# Altium PCB EASY-EAI-Nano-TB V1.01.PCBDOC (part 5 of 7) (continued)
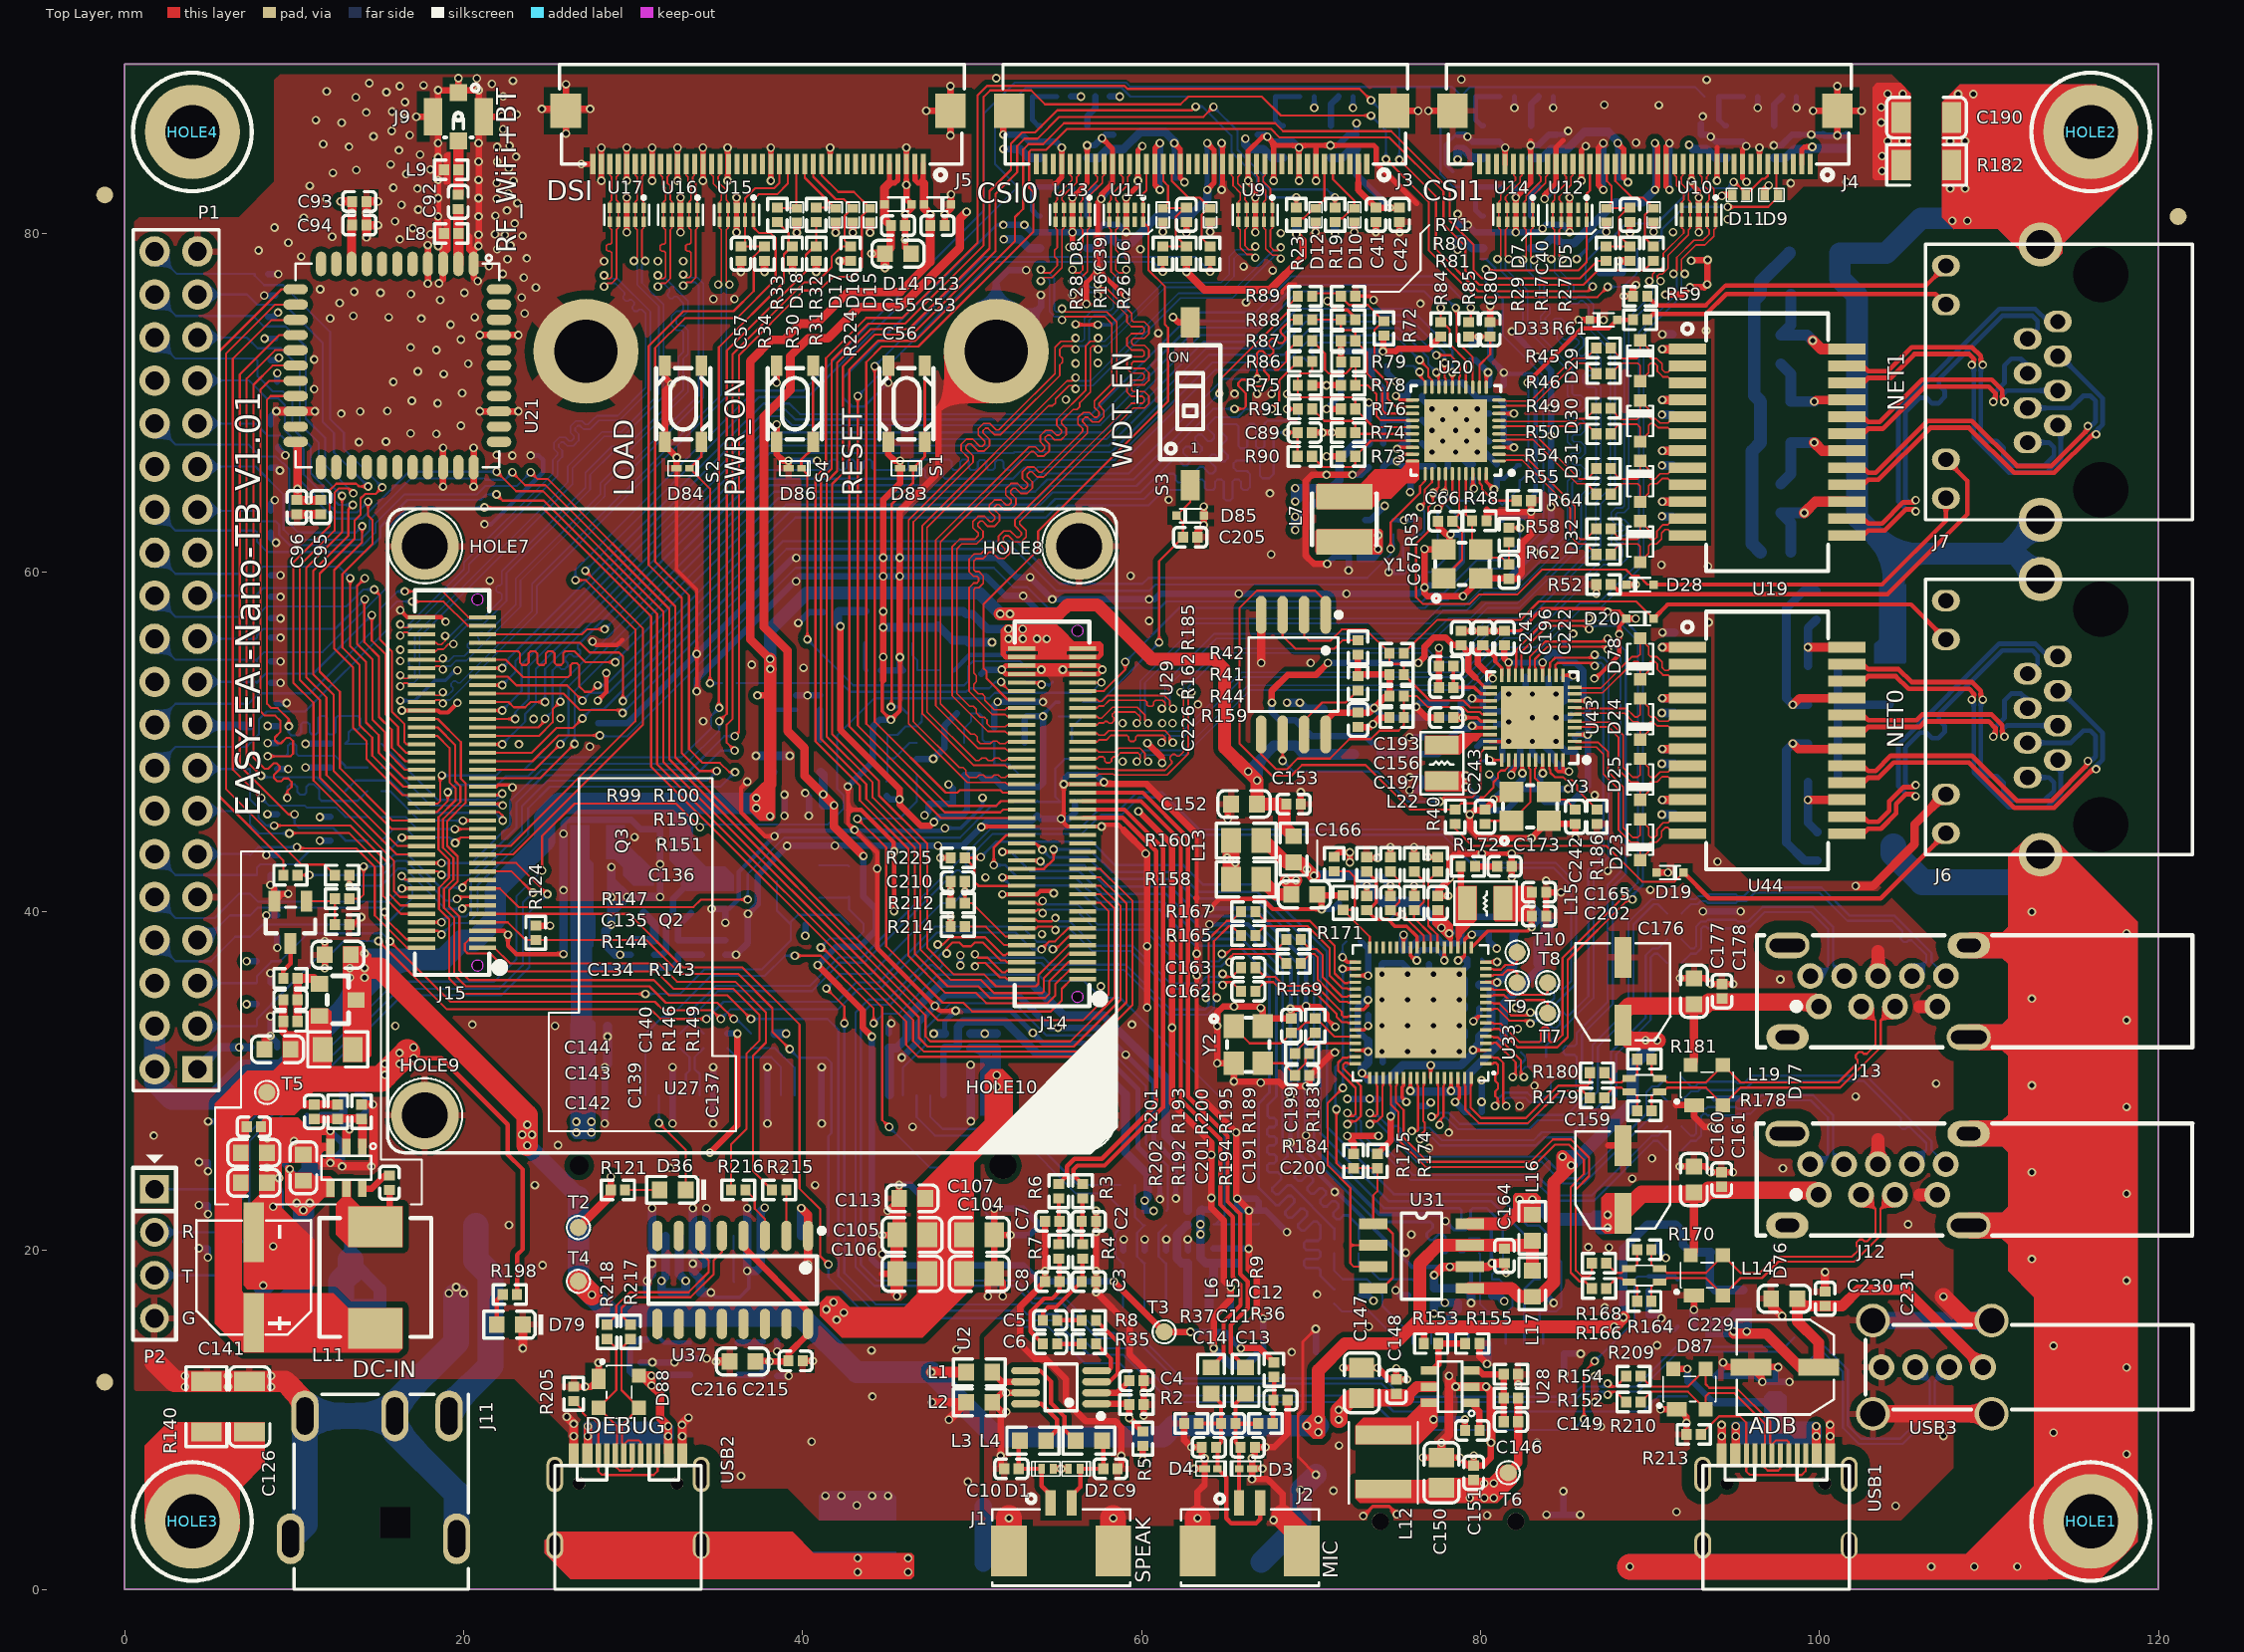
[diagram p0: Top Layer view]
## Nets (pads, with @x,y where several pads share a name; then routed paths per layer and width w, separated by ;. In a path a pad name is that pad's centre, name@x,y a point inside that pad or via, vN(x,y) a via of type N, cw(c..) or ccw(c..) an arc to the next point about the centre after c; other vN are vias at no path point) (continued)
NetC38_2: C38.2 R15.2 U8.3 | length 3.4
  Bottom Layer w0.305: U8.3@80.175,86.371 80.064,86.371 79.714,86.721 R15.2@79.714,88.088 C38.2@81.15,88.088
NetC61_2: C61.2 R38.2 U18.3 | length 3
  Bottom Layer w0.127: U18.3@46.485,55.819 46.485,55.115 46.78,54.82 C61.2@46.78,54.229 R38.2@48.089,54.229
NetC62_2: C62.2 U18.4 | length 1.6
  Bottom Layer w0.254: U18.4@43.685,55.819 43.685,54.315 C62.2@43.771,54.229
NetC65_2: C65.2 U19.1 | length 2.1
  Top Layer w0.508: v1(90.731,73.185) U19.1@92.21,73.185
  Bottom Layer w0.508: v1(90.731,73.185) 91.299,73.185 C65.2@91.323,73.209
NetC68_2: C68.2 U19.4 | length 2.1
  Top Layer w0.508: v1(90.731,70.185) U19.4@92.21,70.185
  Bottom Layer w0.508: v1(90.731,70.185) 91.299,70.185 C68.2@91.323,70.161
NetC69_2: C69.2 U19.7 | length 2.1
  Top Layer w0.508: v1(90.731,67.185) U19.7@92.21,67.185
  Bottom Layer w0.508: v1(90.731,67.185) 91.299,67.185 C69.2@91.323,67.161
NetC71_2: C71.2 U19.10 | length 2.1
  Top Layer w0.508: v1(90.731,64.185) U19.10@92.21,64.185
  Bottom Layer w0.508: v1(90.731,64.185) 91.299,64.185 C71.2@91.323,64.161
NetC72_1: C72.1 R47.2 R51.2 R56.2 R63.2 | length 19.1
  Bottom Layer w0.762: R63.2@96.529,61.196 96.022,61.703 96.022,67.166 R56.2@96.529,67.673 R51.2@96.529,70.086 96.149,70.466 96.149,76.056 R47.2@96.529,76.436 96.529,77.163 C72.1@98.215,78.849
NetC92_1: C92.1 L8.1 U21.2 | length 3.2
  Top Layer w0.61: U21.2@19.695,78.214 C92.1@19.695,81.447
NetC92_2: C92.2 J9.4 L9.1 | length 3.1
  Top Layer w0.61: C92.2@19.695,82.329 L9.1@19.695,83.777 J9.4@19.695,85.476
NetC111_1: C111.1 R130.1 R132.2 U22.5 | length 4.7
  Bottom Layer w0.381: U22.5@33.423,39.906 32.655,39.138 C111.1@32.655,38.294 R130.1@34.052,38.294 R132.2@35.449,38.294
NetC112_2: C112.2 R131.1 U22.1 | length 3.3
  Bottom Layer w0.508: C112.2@29.861,38.294 R131.1@31.258,38.294 31.258,39.271 U22.1@30.623,39.906
NetC122_2: C122.2 R136.1 R139.2 U24.4 U25.4 | length 8.1
  Bottom Layer w0.127: U24.4@49.543,49.956 49.543,50.813 49.955,51.225 C122.2@49.955,51.689 50.419,51.689 50.617,51.491 50.617,50.144 50.767,49.994 R139.2@51.308,49.994 R136.1@51.308,48.685 52.179,48.685 52.81,48.054 U25.4@53.093,48.054
NetC125_2: C125.2 R137.2 R138.2 U25.2 | length 6
  Bottom Layer w0.127: R137.2@52.495,46.457 53.779,46.457 R138.2@53.848,46.526 ; R138.2@53.91,46.464 C125.2@55.211,46.464 54.915,46.76 54.915,48.438 55.481,49.004 U25.2@55.893,49.004
NetC133_2: C133.2 U26.4 | length 1.8
  Bottom Layer w0.381: C133.2@41.021,51.899 41.021,50.169 U26.4@41.053,50.137
NetC135_1: C135.1 Q2.1 R144.1 R147.2 | length 4
  Top Layer w0.508: R144.1@10.214,33.51 C135.1@10.214,34.78 R147.2@10.214,36.05 11.184,36.05 Q2.1@11.504,35.73
NetC137_1: C137.1 U27.6 | length 1.9
  Top Layer w0.381: U27.6@14.041,23.644 14.576,23.644 15.342,24.41 C137.1@15.631,24.41
NetC137_2: C137.2 L11.1 U27.5 | length 5.5
  Top Layer w0.381: U27.5@13.091,23.644 13.091,23.099 L11.1@14.793,21.397 15.631,22.235 C137.2@15.631,23.56
NetC140_1: C140.1 R146.1 R149.2 U27.1 | length 4.5
  Top Layer w0.508: C140.1@11.186,27.751 R146.1@12.583,27.751 12.608,27.776 13.955,27.776 R149.2@13.98,27.751 14.041,27.69 U27.1@14.041,26.104
NetC145_2: C145.2 R145.1 R148.2 U27.2 | length 4.7
  Top Layer w0.508: U27.2@13.091,26.104 13.091,26.97 v1(13.263,27.141)
  Bottom Layer w0.508: R145.1@11.611,27.922 C145.2@12.92,27.922 ; R148.2@12.92,29.319 C145.2@12.92,27.922 ; v1(13.263,27.141) 12.92,27.484 C145.2@12.92,27.922
NetC146_1: C146.1 U28.1 | length 1.8
  Top Layer w0.381: U28.1@79.435,11.009 79.937,10.507 C146.1@79.937,9.38
NetC146_2: C146.2 L12.1 U28.6 | length 2.5
  Top Layer w0.381: C146.2@79.087,9.38 v1(79.087,10.024)
  Bottom Layer w0.381: v1(77.224,10.024) v1(79.087,10.024)
NetC149_1: C149.1 R152.1 R154.2 U28.3 | length 4.8
  Top Layer w0.381: U28.3@79.435,12.909 79.921,12.909 80.147,12.682 R154.2@81.371,12.682 81.371,11.158 C149.1@81.371,9.888
NetC173_2: C173.2 R172.1 | length 1.3
  Top Layer w0.381: R172.1@79.683,42.654 C173.2@80.992,42.654
NetC205_2: C205.2 D85.2 R207.2 S3.1 | length 16.3
  Top Layer w0.127: v1(61.039,55.878) 61.039,60.674 C205.2@62.45,62.085 62.45,62.98 D85.2@62.075,63.355 62.875,64.155 S3.1@62.875,65.159
  Bottom Layer w0.127: R207.2@56.525,52.35 57.534,52.35 61.039,55.855 v1(61.039,55.878)
NetC214_2: C214.2 U36.4 | length 1.5
  Bottom Layer w0.381: U36.4@36.176,14.555 37.587,14.555 C214.2@37.653,14.621
NetC258_2: C258.2 U44.1 | length 2.2
  Top Layer w0.508: v1(90.731,55.589) U44.1@92.21,55.589
  Bottom Layer w0.508: v1(90.731,55.589) 90.756,55.613 C258.2@91.45,55.613
NetC259_2: C259.2 U44.4 | length 2.2
  Top Layer w0.508: v1(90.731,52.589) U44.4@92.21,52.589
  Bottom Layer w0.508: v1(90.731,52.589) 90.756,52.565 C259.2@91.45,52.565
NetC260_2: C260.2 U44.7 | length 2.2
  Top Layer w0.508: v1(90.731,49.589) U44.7@92.21,49.589
  Bottom Layer w0.508: v1(90.731,49.589) 90.756,49.565 C260.2@91.45,49.565
NetC261_2: C261.2 U44.10 | length 2.2
  Top Layer w0.508: v1(90.731,46.589) U44.10@92.21,46.589
  Bottom Layer w0.508: v1(90.731,46.589) 90.756,46.565 C261.2@91.45,46.565
NetC262_2: C262.2 R187.2 R188.2 R226.2 R227.2 | length 9.9
  Bottom Layer w0.508: R227.2@101.093,47.625 R226.2@101.093,49.911 R188.2@101.093,52.197 ; R187.2@101.093,54.483 R188.2@101.093,52.197 ; C262.2@104.14,52.231 104.106,52.197 R188.2@101.093,52.197
NetD21_1: D21.1 R188.1 U44.21 | length 12.3
  Top Layer w0.508: v1(98.425,52.197) 98.817,52.589 U44.21@101.61,52.589
  Bottom Layer w0.508: R188.1@99.313,52.197 v1(98.425,52.197) 98.044,52.578 98.044,57.887 99.075,58.918 D21.1@99.815,58.918
NetD21_3: D21.3 R187.1 U44.24 | length 5.2
  Top Layer w0.508: v1(99.314,55.589) U44.24@101.61,55.589
  Bottom Layer w0.508: R187.1@99.313,54.483 R187.1@99.313,54.483 v1(99.314,55.589) 99.314,56.717 D21.3@99.815,57.218
NetD22_1: D22.1 R227.1 U44.15 | length 5.5
  Top Layer w0.508: v1(99.314,46.589) U44.15@101.61,46.589
  Bottom Layer w0.508: R227.1@99.313,47.625 v1(99.314,46.589) v1(99.314,46.589) 99.314,45.245 D22.1@99.866,44.694
NetD22_3: D22.3 R226.1 U44.18 | length 12.5
  Top Layer w0.508: v1(98.425,49.911) 98.747,49.589 U44.18@101.61,49.589
  Bottom Layer w0.508: R226.1@99.313,49.911 v1(98.425,49.911) 98.044,49.53 98.044,44.069 99.119,42.994 D22.3@99.866,42.994
NetD26_1: D26.1 R47.1 U19.24 | length 6.9
  Top Layer w0.635: v1(99.598,73.687) 100.1,73.185 U19.24@101.61,73.185
  Bottom Layer w0.635: R47.1@98.309,76.436 98.309,74.605 D26.1@97.717,74.013 99.272,74.013 v1(99.598,73.687)
NetD26_3: D26.3 R51.1 U19.21 | length 5.8
  Top Layer w0.508: v1(99.69,70.086) 99.789,70.185 U19.21@101.61,70.185
  Bottom Layer w0.635: D26.3@97.717,72.313 98.309,71.72 R51.1@98.309,70.086 v1(99.69,70.086)
NetD27_1: D27.1 R56.1 U19.18 | length 6.2
  Top Layer w0.635: v1(99.69,67.673) 100.178,67.185 U19.18@101.61,67.185
  Bottom Layer w0.635: D27.1@97.717,65.224 98.309,65.817 R56.1@98.309,67.673 v1(99.69,67.673)
NetD27_3: D27.3 R63.1 U19.15 | length 6.7
  Top Layer w0.635: v1(99.098,63.524) 99.758,64.185 U19.15@101.61,64.185
  Bottom Layer w0.635: R63.1@98.309,61.196 98.309,62.932 D27.3@97.717,63.524 v1(99.098,63.524)
NetD34_1: D34.1 J8.8 R97.2 | length 6.1
  Bottom Layer w0.127: R97.2@82.846,19.834 82.846,18.702 D34.1@83.26,18.288 ; D34.1@83.156,18.288 D34.1@83.26,18.288 ; D34.1@83.481,18.288 D34.1@83.26,18.288
  Bottom Layer w0.152: J8.8@82.587,14.5 82.587,17.719 D34.1@83.156,18.288
NetD34_3: D34.3 J8.9 R98.2 | length 6.7
  Bottom Layer w0.127: J8.9@83.687,14.5 83.687,15.627 83.481,15.833 D34.3@83.481,16.388 84.46,16.388 84.76,16.688 84.76,19.317 R98.2@84.243,19.834
NetD34_4: D34.4 J8.5 R95.2 | length 6.9
  Bottom Layer w0.127: J8.5@79.287,14.5 79.287,15.914 79.629,16.256 80.555,16.256 D34.4@80.687,16.388 80.433,16.388 79.964,16.857 79.964,19.795 R95.2@79.925,19.834
NetD34_6: D34.6 J8.7 R96.2 | length 6.5
  Bottom Layer w0.127: R96.2@81.322,19.834 81.322,19.229 80.687,18.594 D34.6@80.687,18.288 81.099,18.288 81.893,17.494 81.893,16.703 81.487,16.297 J8.7@81.487,14.5
NetD35_1: D35.1 J8.3 R94.2 | length 8.5
  Bottom Layer w0.127: R94.2@72.813,19.834 72.813,19.135 73.025,18.923 73.406,18.923 74.041,18.288 D35.1@75.734,18.288 75.968,18.288 76.487,17.768 76.487,16.038 77.087,15.439 J8.3@77.087,14.5
NetD35_4: D35.4 J8.1 R92.2 | length 4.7
  Bottom Layer w0.127: R92.2@71.374,16.847 71.833,16.388 D35.4@72.94,16.388 73.449,16.388 74.887,14.95 J8.1@74.887,14.5
NetD35_6: D35.6 J8.2 R93.2 | length 8.1
  Bottom Layer w0.127: R93.2@71.374,19.834 71.374,18.796 71.882,18.288 D35.6@72.94,18.288 73.303,18.288 74.218,17.373 74.218,16.714 75.987,14.945 J8.2@75.987,14.5
NetD36_A: D36.A R121.1 | length 2
  Top Layer w0.127: R121.1@29.535,23.569 D36.A@31.571,23.569
NetD36_K: D36.K J10.42 | length 6.2
  Top Layer w0.127: v1(31.529,27.518) 33.111,25.936 D36.K@33.111,23.569
  Bottom Layer w0.127: v1(31.529,27.518) J10.42@31.529,29.153
NetD37_1: D37.1 R127.1 U23.C6 | length 5.6
  Bottom Layer w0.508: U23.C6@62.718,16.623 62.73,16.635 D37.1@62.73,19.243 62.375,19.243 62.095,19.522 62.095,20.913 62.668,21.485 R127.1@62.73,21.485
NetD42_1: D42.1 D43.1 D43.3 F1.2 | length 14.4
  Bottom Layer w0.762: F1.2@13.328,21.445 13.328,19.432 15.069,17.69 D43.1@15.069,16.736 13.53,16.736 D42.1@12.778,15.984 13.726,15.036 D43.3@15.069,15.036
  Bottom Layer w1.524: D42.1@12.778,15.984 12.778,18.171 13.328,18.721 F1.2@13.328,19.432
NetD79_A: D79.A R198.2 | length 1.9
  Top Layer w0.254: D79.A@21.963,15.621 21.963,17.054 R198.2@22.308,17.399
NetD83_1: D83.1 R204.2 S1.1 S1.2 | length 22.1
  Top Layer w0.152: v1(45.212,52.07) 45.253,52.111 45.253,64.014 46.517,65.278 D83.1@46.517,66.149 47.211,66.843 S1.2@47.211,67.709 S1.1@47.211,72.209
  Bottom Layer w0.152: v1(45.212,52.07) 45.803,52.07 R204.2@46.184,51.689
NetD84_1: D84.1 R206.2 S2.1 S2.2 | length 20.2
  Top Layer w0.127: D84.1@33.342,66.149 34.544,64.947 v1(34.544,53.467)
  Top Layer w0.152: D84.1@33.342,66.149 34.036,66.843 S2.2@34.036,67.709 S2.1@34.036,72.209
  Bottom Layer w0.127: v1(34.544,53.467) R206.2@35.262,53.467
NetD86_1: D86.1 R208.2 S4.1 S4.2 | length 32.2
  Top Layer w0.127: D86.1@39.93,66.149 40.285,65.794 v1(40.285,56.052)
  Top Layer w0.152: D86.1@39.93,66.149 39.93,66.657 40.624,67.351 S4.2@40.624,67.709 S4.1@40.624,72.479
  Bottom Layer w0.127: v1(40.285,56.052) 42.997,53.34 49.53,53.34 49.784,53.594 49.784,54.483 50.064,54.763 52.842,54.763 R208.2@53.223,54.382
NetD89_2: D89.2 P2.1 R219.2 | length 4.8
  Bottom Layer w0.127: P2.1@1.907,23.473 P2.1@1.77,23.61 D89.2@4.928,23.61 5.823,23.61 R219.2@6.198,23.984
NetJ7_10: J7.10 R52.2 | length 27
  Top Layer w0.254: R52.2@87.684,59.291 87.759,59.291 88.325,58.725 104.016,58.725 108.722,63.431 108.722,65.409 J7.10@107.46,66.671
NetJ10_10: J10.10 R111.1 | length 14.2
  Bottom Layer w0.127: J10.10@47.529,29.153 47.529,27.904 48.267,27.166 52.959,27.166 56.267,23.858 R111.1@58.767,23.858
NetJ10_12: J10.12 R112.1 | length 15.8
  Bottom Layer w0.127: J10.12@46.729,29.153 46.729,27.862 47.818,26.773 52.717,26.773 56.14,23.35 57.905,23.35 R112.1@58.92,22.335
NetJ10_14: J10.14 R113.1 | length 28.1
  Bottom Layer w0.127: J10.14@45.929,29.153 45.929,30.793 47.209,32.073 47.209,33.05 48.75,34.59 52.474,34.59 54.379,32.685 57.271,32.685 60.251,29.706 60.251,26.277 61.556,24.972 61.556,22.431 R113.1@61.46,22.335
NetJ10_24: J10.24 R117.1 | length 5.3
  Bottom Layer w0.127: R117.1@35.57,31.942 36.12,31.392 38.152,31.392 38.729,30.815 J10.24@38.729,29.153
NetJ10_31: J10.31 T1.1 | length 2.7
  Bottom Layer w0.127: J10.31@35.929,20.853 35.929,18.165 T1.1@35.951,18.143
NetJ10_44: J10.44 R122.1 | length 2.8
  Bottom Layer w0.127: J10.44@30.729,29.153 30.729,31.927 R122.1@30.744,31.942
NetJ14_71: J14.71 R219.1 | length 72.9
  Top Layer w0.127: v1(24.638,42.418) 24.638,44.45 26.557,46.369 32.54,46.369 v1(33.946,44.964) ; J14.71@56.524,53.511 v1(57.628,53.51)
  Bottom Layer w0.127: R219.1@6.198,24.834 6.198,26.391 7.874,28.067 8.201,28.067 15.995,35.861 21.809,35.861 23.114,37.166 23.114,40.894 v1(24.638,42.418) ; v1(33.946,44.964) 34.12,45.137 41.507,45.137 42.418,46.048 42.418,46.863 42.037,47.244 42.037,50.375 44.24,52.578 51.022,52.578 51.347,52.903 57.02,52.903 v1(57.628,53.51)
NetL3_1: L3.1 U2.8 | length 3.8
  Top Layer w0.254: U2.8@53.155,10.945 54.095,10.945 55.017,10.023 55.017,9.416 L3.1@54.364,8.763
NetL4_1: L4.1 U2.5 | length 5.9
  Top Layer w0.254: U2.5@53.155,12.895 54.026,12.895 54.671,12.25 54.671,10.979 55.449,10.201 55.449,9.44 L4.1@56.126,8.763
NetL10_1: L10.1 U22.3
NetL14_1: L14.1 R168.2 R170.1 | length 3.1
  Top Layer w0.13: R168.2@87.419,19.25 87.996,18.673 88.316,18.673 88.562,18.919 L14.1@88.762,18.919 ; L14.1@88.762,18.919 88.982,18.92 89.238,19.177 R170.1@89.238,20.045
NetL14_4: L14.4 R164.1 R166.2 | length 3.1
  Top Layer w0.13: R166.2@87.421,17.759 88.03,18.368 88.317,18.368 88.564,18.121 L14.4@88.764,18.121 88.982,18.121 89.238,17.865 R164.1@89.238,16.997
NetL19_1: L19.1 R180.2 R181.1 | length 3.3
  Top Layer w0.13: R180.2@87.3,30.484 87.365,30.419 87.365,30.392 87.85,29.907 88.324,29.907 88.571,30.154 L19.1@88.771,30.154 ; L19.1@88.773,30.154 88.991,30.154 89.247,30.411 R181.1@89.247,31.279
NetL19_4: L19.4 R178.1 R179.2 | length 3.3
  Top Layer w0.13: R179.2@87.303,28.993 87.368,29.057 87.368,29.119 87.85,29.602 88.326,29.602 88.573,29.355 L19.4@88.773,29.355 88.991,29.355 89.247,29.099 R178.1@89.247,28.231
NetQ1_1: Q1.1 R115.1 | length 1.8
  Bottom Layer w0.13: Q1.1@40.991,42.715 42.684,42.715 R115.1@42.745,42.654
NetQ3_1: Q3.1 R150.2 R151.2 | length 3.3
  Top Layer w0.127: Q3.1@10.739,40.602 12.265,40.602 R150.2@12.412,40.749 R151.2@12.412,39.225
NetQ3_3: Q3.3 R147.1 | length 2.2
  Top Layer w0.254: R147.1@9.364,36.05 9.364,36.489 9.789,36.914 Q3.3@9.789,38.102
NetR8_2: R8.2 U2.3 | length 5.1
  Top Layer w0.254: R8.2@57.321,15.875 58.609,14.587 58.609,12.745 58.109,12.245 U2.3@57.355,12.245
NetR35_2: R35.2 U2.4 | length 2.7
  Top Layer w0.254: R35.2@57.321,14.478 58.195,13.604 58.195,13.06 58.03,12.895 U2.4@57.355,12.895
NetR99_2: R99.2 U21.12 | length 38.5
  Top Layer w0.127: R99.2@9.364,42.146 9.364,43.02 5.579,46.805 5.579,73.041 9.252,76.714 U21.12@10.095,76.714
NetR100_2: R100.2 U21.13 | length 39.5
  Top Layer w0.127: U21.13@10.095,75.814 8.894,75.814 5.985,72.905 5.985,47.222 10.438,42.769 11.789,42.769 R100.2@12.412,42.146
NetR141_2: R141.2 R142.2 U26.3 | length 3.2
  Bottom Layer w0.254: U26.3@38.253,50.137 38.253,51.873 R141.2@38.227,51.899 R142.2@39.624,51.899
NetR153_2: R153.2 R155.2 U28.4 | length 3.5
  Top Layer w0.381: U28.4@76.975,12.909 77.152,12.909 77.512,13.268 R153.2@77.512,14.5 R155.2@79.087,14.5
NetR162_1: R162.1 U29.7 | length 4.7
  Top Layer w0.127: U29.7@69.596,50.445 69.596,51.255 70.665,52.324 72.053,52.324 R162.1@72.771,53.042
NetR183_2: R183.2 R184.1 | length 1.7
  Top Layer w0.127: R184.1@69.054,31.605 69.054,31.688 70.197,32.831 R183.2@70.241,32.831
NetR185_1: R185.1 U29.3 | length 6.2
  Top Layer w0.127: U29.3@68.326,57.505 68.326,56.261 69.088,55.499 71.374,55.499 71.882,56.007 R185.1@72.771,56.007
NetR186_1: R186.1 U43.38 | length 4.6
  Top Layer w0.127: U43.38@84.058,48.936 84.058,48.403 84.118,48.343 84.118,48.19 84.379,47.93 84.875,47.93 85.053,47.752 85.388,47.752 85.71,47.43 85.71,47.176 R186.1@86.868,46.018
NetR190_2: R190.2 U34.3 | length 1.8
  Bottom Layer w0.254: R190.2@89.916,15.323 91.465,15.323 U34.3@91.633,15.491
NetR191_2: R191.2 USB3.3 | length 15.6
  Bottom Layer w0.13: R191.2@99.358,14.859 99.904,14.313 100.329,14.313 101.678,12.964 101.678,9.661 102.45,8.89 104.775,8.89 105.661,9.776 105.661,9.956 105.557,10.06 105.557,10.241 105.737,10.421 105.918,10.421 106.022,10.317 106.202,10.317 106.498,10.613 106.498,12.259 USB3.3@105.65,13.106
NetR203_1: R203.1 U36.3 | length 1.8
  Bottom Layer w0.254: R203.1@31.645,14.748 31.838,14.555 U36.3@33.376,14.555
NetR215_2: R215.2 U37.2 | length 2.7
  Top Layer w0.127: R215.2@39.043,23.569 39.043,20.868 U37.2@39.054,20.857
NetR216_2: R216.2 U37.3 | length 3.2
  Top Layer w0.127: R216.2@36.63,23.569 37.18,23.019 37.18,22.459 37.784,21.855 U37.3@37.784,20.857
NetR220_2: R220.2 USB3.2 | length 15.6
  Bottom Layer w0.13: R220.2@99.358,13.462 99.904,14.008 100.203,14.008 101.374,12.838 101.374,9.535 102.323,8.585 104.901,8.585 106.802,10.486 106.802,12.259 USB3.2@107.65,13.106
OTG_D_N: J14.8 R210.2 R220.1 | length 89
  Top Layer w0.13: v1(47.978,38.05) 48.295,38.05 48.716,38.471 50.768,38.471 51.826,37.413 51.962,37.413 52.06,37.51 J14.8@52.925,37.511 ; v1(87.503,11.481) 87.681,11.659 87.992,11.659 R210.2@88.602,11.049
  Bottom Layer w0.13: v1(47.978,38.05) 47.978,37.733 45.043,34.798 43.892,34.798 43.129,34.035 43.129,19.025 44.248,17.907 52.528,17.907 53.569,16.866 55.351,16.866 57.409,14.808 59.6,14.808 62.267,12.141 74.169,12.141 75.255,11.055 85.477,11.055 86.081,11.659 87.325,11.659 v1(87.503,11.481) 87.681,11.659 89.306,11.659 91.655,14.008 97.962,14.008 R220.1@98.508,13.462
OTG_D_P: J14.6 R191.1 R209.2 | length 89
  Top Layer w0.13: v1(48.51,37.517) 48.51,37.834 48.842,38.166 49.261,38.166 49.479,37.948 49.951,37.948 50.169,38.166 50.642,38.166 51.7,37.108 51.962,37.108 52.06,37.01 J14.6@52.925,37.01 ; v1(87.503,12.141) 87.681,11.963 87.992,11.963 R209.2@88.602,12.573
  Bottom Layer w0.13: v1(48.51,37.517) 48.193,37.517 48.052,37.375 48.052,37.195 48.256,36.991 48.256,36.81 48.075,36.63 47.895,36.63 47.691,36.834 47.51,36.834 45.169,34.493 44.018,34.493 43.434,33.909 43.434,19.152 44.374,18.212 52.654,18.212 53.696,17.17 55.477,17.17 57.535,15.113 59.726,15.113 62.393,12.446 74.295,12.446 75.381,11.36 85.351,11.36 85.954,11.963 87.325,11.963 v1(87.503,12.141) 87.681,11.963 89.179,11.963 91.529,14.313 97.962,14.313 R191.1@98.508,14.859
OTG_ID: J14.10 R214.2 | length 3.8
  Top Layer w0.127: R214.2@49.584,39.098 50.81,39.098 51.898,38.01 J14.10@52.925,38.01
OVCURJ: R173.2 U31.2 U31.3 U33.33 | length 24
  Top Layer w0.127: v1(71.882,29.591) 70.993,28.702 70.993,25.019 72.325,23.687 72.325,20.302 ; U31.3@73.67,19.032 72.535,19.032 72.325,19.242 72.325,20.302 ; U31.2@73.67,20.302 72.325,20.302
  Top Layer w0.203: v1(71.857,37.297) 72.136,37.018 U33.33@72.614,37.018
  Bottom Layer w0.127: v1(71.882,29.591) 71.882,30.672 72.301,31.092 72.301,36.434 72.301,36.853 v1(71.857,37.297) 71.857,37.992 R173.2@72.092,38.227
PHY1_CLKOUT125: R57.2 U20.35 | length 3.1
  Top Layer w0.127: v1(77.495,63.779) 77.564,63.779 78.34,64.555 U20.35@78.34,65.831
  Bottom Layer w0.127: R57.2@77.48,63.091 77.48,63.764 v1(77.495,63.779)
PHY1_LED0/CFG_EXT: R66.2 R67.1 U20.32 | length 6.1
  Top Layer w0.127: v1(76.44,63.855) 76.72,64.135 76.72,64.91 77.14,65.33 U20.32@77.14,65.831
  Bottom Layer w0.127: R66.2@75.438,60.877 75.438,61.552 R67.1@76.127,62.241 76.493,62.241 76.685,62.433 76.685,63.609 v1(76.44,63.855)
PHY1_LED1/CFG_LDO0: D28.1 J7.9 R70.2 U20.33 | length 45.7
  Top Layer w0.127: U20.33@77.54,65.831 77.54,65.044 v1(77.194,64.698) 77.194,64.136 76.928,63.87 76.928,62.434 76.2,61.706 76.2,58.547 76.606,58.141 79.35,58.141 79.906,58.697 82.167,58.697 83.639,60.169 88.584,60.169 88.944,59.808 89.329,59.808 89.847,59.291 D28.1@90.218,59.291
  Top Layer w0.254: D28.1@90.218,59.291 103.693,59.291 107.46,63.058 J7.9@107.46,64.381
  Bottom Layer w0.127: v1(77.194,64.698) 77.729,64.163 77.796,64.163 78.859,63.101 R70.2@78.896,63.101
PHY1_LED2/CFG_LDO1: D33.1 R61.1 R68.2 R69.1 U20.34 | length 20.6
  Top Layer w0.127: v1(77.854,64.698) 77.94,64.784 U20.34@77.94,65.831
  Top Layer w0.254: v1(82.779,71.211) 82.779,71.222 85.961,74.404 87.551,74.404 D33.1@88.059,74.912 R61.1@88.993,74.912
  Bottom Layer w0.127: v1(77.854,64.698) 78.308,64.244 81.036,64.244 R68.2@81.29,63.99 82.306,65.006 R69.1@82.306,65.47 82.417,65.47 82.822,65.874 82.822,71.179 82.784,71.216 v1(82.779,71.211)
PHY1_MD0+: J7.1 U19.13 | length 23.6
  Top Layer w0.279: U19.13@101.61,62.185 102.572,62.185 102.869,62.482 103.857,62.482 105.111,63.736 105.547,63.736 v1(105.674,63.609)
  Bottom Layer w0.279: v1(105.674,63.609) 105.547,63.736 105.109,63.736 104.656,64.188 104.656,69.601 110.614,75.559 112.73,75.559 113.477,74.811 J7.1@114.06,74.811
PHY1_MD0-: J7.2 U19.14 | length 23.5
  Top Layer w0.279: U19.14@101.61,63.185 102.575,63.185 102.872,62.888 103.688,62.888 104.943,64.142 105.547,64.142 v1(105.674,64.269)
  Bottom Layer w0.279: v1(105.674,64.269) 105.547,64.142 105.277,64.142 105.063,64.357 105.063,69.433 105.946,70.316 106.314,70.316 106.644,69.986 107.012,69.986 107.38,70.355 107.38,70.723 107.051,71.052 107.051,71.421 110.783,75.153 112.561,75.153 112.866,74.848 112.866,74.377 J7.2@112.28,73.791
PHY1_MD1+: J7.3 U19.16 | length 24.1
  Top Layer w0.279: U19.16@101.61,65.185 102.572,65.185 102.869,65.482 103.478,65.482 106.54,68.543 108.822,68.543 111.484,65.882 113.847,65.882 116.125,68.16 v1(116.32,68.16)
  Bottom Layer w0.279: J7.3@114.06,72.771 114.206,72.771 116.701,70.276 116.701,68.736 116.32,68.354 v1(116.32,68.16)
PHY1_MD1-: J7.6 U19.17 | length 24
  Top Layer w0.279: U19.17@101.61,66.185 102.575,66.185 102.872,65.888 103.31,65.888 106.371,68.95 108.991,68.95 111.652,66.288 113.679,66.288 115.838,68.447 v1(115.838,68.641)
  Bottom Layer w0.279: J7.6@112.28,69.711 114.841,69.711 115.558,70.428 115.974,70.428 116.295,70.107 116.295,68.904 116.032,68.641 v1(115.838,68.641)
PHY1_MD2+: J7.4 U19.19 | length 15.2
  Top Layer w0.279: U19.19@101.61,68.185 102.572,68.185 102.869,68.482 103.726,68.482 106.219,70.975 109.992,70.975 110.377,70.59 110.377,70.2 v1(110.25,70.073)
  Bottom Layer w0.279: v1(110.25,70.073) 110.377,70.2 110.377,70.643 110.91,71.176 110.91,72.206 111.317,72.613 111.888,72.613 112.28,72.221 J7.4@112.28,71.751
PHY1_MD2-: J7.5 U19.20 | length 15.2
  Top Layer w0.279: U19.20@101.61,69.185 102.575,69.185 102.872,68.888 103.557,68.888 106.051,71.381 110.16,71.381 110.783,70.758 110.783,70.2 v1(110.91,70.073)
  Bottom Layer w0.279: v1(110.91,70.073) 110.783,70.2 110.783,70.475 111.04,70.731 J7.5@114.06,70.731
PHY1_MD3+: J7.7 U19.22 | length 21.4
  Top Layer w0.279: U19.22@101.61,71.185 102.572,71.185 102.869,71.482 104.186,71.482 105.596,72.892 108.827,72.892 109.107,72.613 109.107,72.384 v1(108.98,72.257)
  Bottom Layer w0.279: v1(108.98,72.257) 109.107,72.13 109.107,67.964 111.164,65.907 113.425,65.907 114.238,66.72 114.238,68.513 J7.7@114.06,68.691
PHY1_MD3-: J7.8 U19.23 | length 21.4
  Top Layer w0.279: U19.23@101.61,72.185 102.575,72.185 102.872,71.888 104.018,71.888 105.428,73.298 108.996,73.298 109.513,72.781 109.513,72.384 v1(109.64,72.257)
  Bottom Layer w0.279: v1(109.64,72.257) 109.513,72.13 109.513,68.133 109.885,67.761 110.453,67.761 110.859,67.355 110.859,66.787 111.332,66.313 113.256,66.313 113.831,66.888 113.831,67.38 113.54,67.671 J7.8@112.28,67.671
PHY1_MDI0+: R62.1 U20.1 | length 9
  Top Layer w0.102: U20.1@81.09,66.581 81.456,66.581 81.516,66.641 82.449,66.641 85.294,63.796 85.294,62.143 85.746,61.691 86.212,61.691 R62.1@86.834,61.069
PHY1_MDI0-: R58.1 U20.2 | length 9
  Top Layer w0.102: U20.2@81.09,66.981 81.456,66.981 81.516,66.921 82.564,66.921 85.574,63.911 85.574,62.259 85.862,61.971 86.212,61.971 R58.1@86.834,62.593
PHY1_MDI0/+: D32.1 R62.2 U19.12 | length 7.2
  Top Layer w0.102: R62.2@87.684,61.069 87.735,61.12 87.735,61.192 88.229,61.686 89.281,61.686 89.418,61.549 D32.1@89.418,60.625 89.921,61.128 89.921,61.577 90.032,61.688 90.387,61.688 90.688,61.989 90.688,62.339 90.894,62.545 91.057,62.545 91.418,62.185 U19.12@92.21,62.185
PHY1_MDI0/-: D32.2 R58.2 U19.11 | length 7.2
  Top Layer w0.102: R58.2@87.684,62.593 87.735,62.542 87.735,62.47 88.239,61.966 89.281,61.966 89.418,62.103 D32.2@89.418,63.038 89.921,62.534 89.921,62.078 90.032,61.967 90.271,61.967 90.409,62.104 90.409,62.455 90.778,62.824 91.057,62.824 91.418,63.185 U19.11@92.21,63.185
PHY1_MDI1+: R55.1 U20.4 | length 7.1
  Top Layer w0.102: U20.4@81.09,67.781 81.456,67.781 81.516,67.841 83.11,67.841 85.704,65.247 86.284,65.247 86.783,64.748 86.783,64.676 R55.1@86.834,64.625
PHY1_MDI1-: R54.1 U20.5 | length 7.2
  Top Layer w0.102: U20.5@81.09,68.181 81.456,68.181 81.516,68.121 83.225,68.121 85.819,65.527 86.31,65.527 86.783,66 86.783,66.098 R54.1@86.834,66.149
PHY1_MDI1/+: D31.1 R55.2 U19.9 | length 6.8
  Top Layer w0.102: R55.2@87.684,64.625 87.735,64.676 87.735,64.748 88.229,65.242 89.281,65.242 89.418,65.105 D31.1@89.418,64.181 89.921,64.684 89.921,65.133 90.032,65.244 90.418,65.244 90.719,65.545 91.057,65.545 91.418,65.185 U19.9@92.21,65.185
PHY1_MDI1/-: D31.2 R54.2 U19.8 | length 6.8
  Top Layer w0.102: R54.2@87.684,66.149 87.735,66.098 87.735,66.026 88.239,65.522 89.281,65.522 89.418,65.659 D31.2@89.418,66.594 89.921,66.09 89.921,65.634 90.032,65.523 90.302,65.523 90.603,65.824 91.057,65.824 91.418,66.185 U19.8@92.21,66.185
PHY1_MDI2+: R50.1 U20.6 | length 6.1
  Top Layer w0.102: U20.6@81.09,68.581 81.456,68.581 81.516,68.641 85.687,68.641 85.849,68.803 86.212,68.803 R50.1@86.834,68.181
PHY1_MDI2-: R49.1 U20.7 | length 6.1
  Top Layer w0.102: U20.7@81.09,68.981 81.456,68.981 81.516,68.921 85.572,68.921 85.734,69.083 86.212,69.083 R49.1@86.834,69.705
PHY1_MDI2/+: D30.1 R50.2 U19.6 | length 6.7
  Top Layer w0.102: R50.2@87.684,68.181 87.735,68.232 87.735,68.304 88.189,68.758 89.23,68.758 89.418,68.57 D30.1@89.418,67.737 89.921,68.24 89.921,68.689 90.032,68.8 90.222,68.8 90.477,68.545 91.057,68.545 91.418,68.185 U19.6@92.21,68.185
PHY1_MDI2/-: D30.2 R49.2 U19.5 | length 6.7
  Top Layer w0.102: R49.2@87.735,69.582 88.28,69.037 89.23,69.037 89.418,69.225 D30.2@89.418,70.15 89.921,69.646 89.921,69.19 90.032,69.079 90.338,69.079 90.593,68.824 91.057,68.824 91.418,69.185 U19.5@92.21,69.185
PHY1_MDI3+: R46.1 U20.9 | length 7.1
  Top Layer w0.102: U20.9@81.09,69.781 81.456,69.781 81.516,69.841 83.077,69.841 85.595,72.359 86.212,72.359 R46.1@86.834,71.737
PHY1_MDI3-: R45.1 U20.10 | length 7.1
  Top Layer w0.102: U20.10@81.09,70.181 81.456,70.181 81.516,70.121 82.962,70.121 85.48,72.639 86.212,72.639 R45.1@86.834,73.261
PHY1_MDI3/+: D29.1 R46.2 U19.3 | length 7.1
  Top Layer w0.102: R46.2@87.684,71.737 88.301,72.354 89.281,72.354 89.418,72.217 D29.1@89.418,71.293 89.921,71.796 89.921,72.245 90.032,72.356 90.28,72.356 90.434,72.201 90.434,71.873 90.762,71.545 91.057,71.545 91.418,71.185 U19.3@92.21,71.185
PHY1_MDI3/-: D29.2 R45.2 U19.2 | length 7.1
  Top Layer w0.102: R45.2@87.684,73.261 88.311,72.634 89.245,72.634 89.418,72.806 D29.2@89.418,73.706 89.921,73.202 89.921,72.746 90.032,72.635 90.396,72.635 90.713,72.317 90.713,71.989 90.878,71.825 91.057,71.825 91.418,72.185 U19.2@92.21,72.185
PHY1_REG_OUT: L7.1 U20.30
PHY1_RSTN: C80.2 R83.2 R85.2 U20.12 | length 5.3
  Top Layer w0.127: R85.2@79.302,73.925 C80.2@80.572,73.925 80.572,72.881 79.94,72.249 U20.12@79.94,70.931
  Bottom Layer w0.381: R83.2@79.429,73.378 79.429,73.436 v1(79.912,73.918)
PHY1_RXCLK/PHYAD1: R73.2 R90.1 U20.27 | length 7.1
  Top Layer w0.127: R90.1@70.054,66.857 70.689,66.222 72.444,66.222 72.615,66.393 R73.2@72.615,66.857 73.539,67.781 U20.27@75.99,67.781
PHY1_RXD0/RXDLY: R75.2 R76.1 R86.1 U20.25 | length 10.4
  Top Layer w0.127: R86.1@70.075,72.445 70.075,71.94 69.894,71.759 69.396,71.759 69.225,71.588 R75.2@69.225,71.048 69.225,70.518 69.406,70.337 72.444,70.337 72.615,70.166 R76.1@72.615,69.651 73.685,68.581 U20.25@75.99,68.581
PHY1_RXD1/TXDLY: R78.2 R79.1 R87.1 U20.24 | length 10.5
  Top Layer w0.127: R87.1@70.075,73.673 70.823,72.925 70.823,71.971 71.052,71.743 72.042,71.743 R79.1@72.62,72.32 ; R79.1@72.62,72.428 R79.1@72.62,72.32 ; U20.24@75.99,68.981 74.118,68.981 73.867,69.232 73.867,70.528 73.347,71.048 R78.2@72.615,71.048 72.62,71.053 R79.1@72.62,72.32
PHY1_RXD2/PLLOFF: R80.2 R81.1 R88.1 U20.23 | length 10.2
  Top Layer w0.127: R88.1@70.075,74.918 R80.2@71.765,74.918 71.765,74.454 71.92,74.299 72.469,74.299 72.615,74.154 R81.1@72.615,73.673 73.287,73.001 73.287,71.773 74.197,70.863 74.197,69.575 74.39,69.381 U20.23@75.99,69.381
PHY1_RXD3/PHYAD0: R71.2 R72.1 R89.1 U20.22 | length 11.8
  Top Layer w0.127: R89.1@70.072,76.302 70.257,76.487 71.587,76.487 R71.2@71.765,76.309 71.765,76.265 72.242,75.787 73.347,75.787 R72.1@74.305,74.829 74.261,74.829 73.744,74.312 73.744,72.009 74.527,71.226 74.527,70.249 74.995,69.781 U20.22@75.99,69.781
PHY1_RXDV/PHYAD2: R74.2 R91.1 U20.26 | length 6.8
  Top Layer w0.127: R91.1@70.075,69.651 70.786,68.94 72.444,68.94 72.615,68.769 R74.2@72.615,68.254 72.688,68.181 U20.26@75.99,68.181
PHY1_XTALIN: C66.2 U20.36 Y1.1 | length 7.2
  Top Layer w0.127: Y1.1@77.738,59.574 Y1.1@77.821,59.657 78.921,60.757 78.921,62.456 78.33,63.047 78.74,63.457 U20.36@78.74,65.831